# Altium PCB thermal_cam_sensor_jlc.PcbDoc (part 5 of 5)
Units mm, origin at the board's own origin, x right, y up, seen from the top; angles counter-clockwise.
Board outline 100 x 100 mm, 6 copper layers (Top Layer, GND1, Power1, Power2, GND2, Bottom Layer), stack 1.538 mm thick; 1209 components, 122 nets, 3633 pads, 2406 vias.
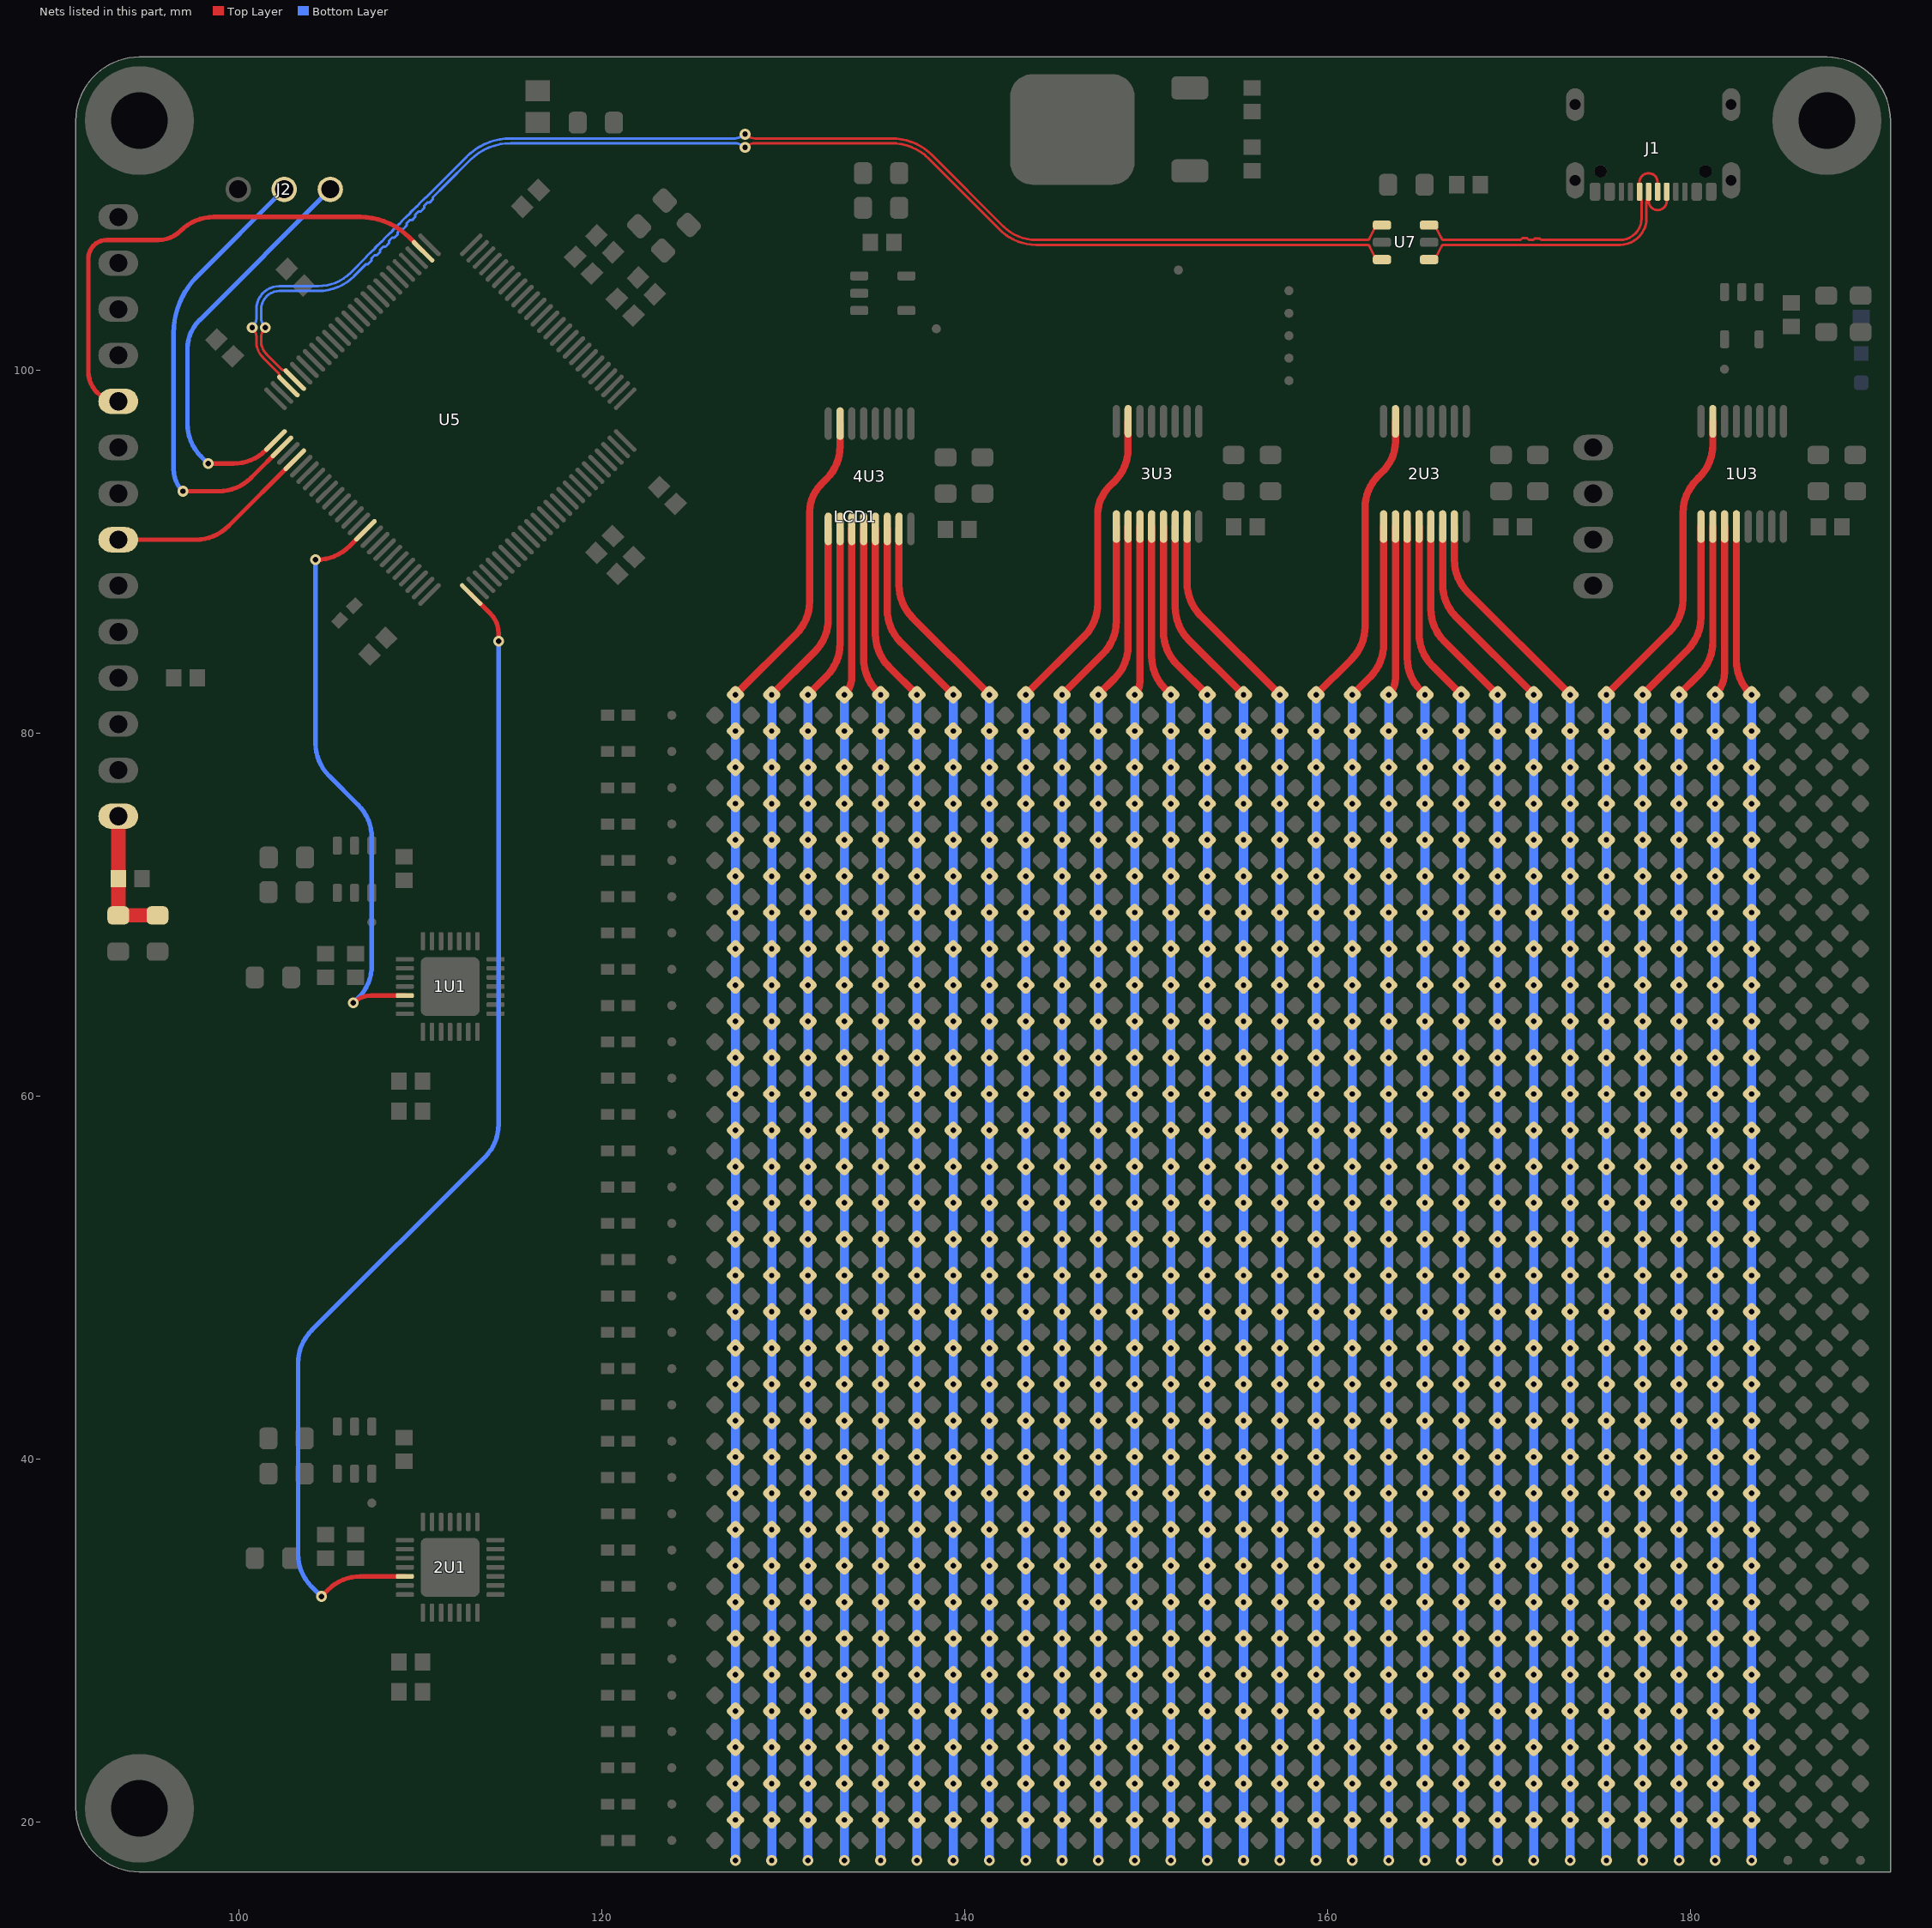
[diagram p9: the nets of this part, all layers, seen from the top]

## Via types
v1: diameter 0.6, hole 0.3, Top Layer to Bottom Layer, tented both sides, 2382 vias
v2: diameter 0.4, hole 0.3, Top Layer to Bottom Layer, 24 vias

## Nets (pads, with @x,y where several pads share a name; then routed paths per layer and width w, separated by ;. In a path a pad name is that pad's centre, name@x,y a point inside that pad or via, vN(x,y) a via of type N, cw(c..) or ccw(c..) an arc to the next point about the centre after c; other vN are vias at no path point) (continued)
ROW3: 1U3.12 T97.1 T98.1 T99.1 T100.1 T101.1 T102.1 T103.1 T104.1 T105.1 T106.1 T107.1 T108.1 T109.1 T110.1 T111.1 T112.1 T113.1 T114.1 T115.1 T116.1 T117.1 T118.1 T119.1 T120.1 T121.1 T122.1 T123.1 T124.1 T125.1 T126.1 T127.1 T128.1 TP28.0 | length 73.7
  Top Layer w0.4: 1U3.12@182.519,91.398 182.519,84.023 ccw(c185.059,84.023) 183.263,82.227 v1(183.357,82.133)
  Bottom Layer w0.5: v1(183.357,17.907) v1(183.357,20.133) ; v1(183.357,20.133) v1(183.357,40.133) v1(183.357,76.133) v1(183.357,82.133)
  other v1: 183.357,22.133 183.357,24.133 183.357,26.133 183.357,28.133 183.357,30.133 183.357,32.133 183.357,34.133 183.357,36.133 183.357,38.133 183.357,42.133 183.357,44.133 183.357,46.133 183.357,48.133 183.357,50.133 183.357,52.133 183.357,54.133 183.357,56.133 183.357,58.133 183.357,60.133 183.357,62.133 183.357,64.133 183.357,66.133 183.357,68.133 183.357,70.133 183.357,72.133 183.357,74.133 183.357,78.133 183.357,80.133
ROW4: 1U3.11 T129.1 T130.1 T131.1 T132.1 T133.1 T134.1 T135.1 T136.1 T137.1 T138.1 T139.1 T140.1 T141.1 T142.1 T143.1 T144.1 T145.1 T146.1 T147.1 T148.1 T149.1 T150.1 T151.1 T152.1 T153.1 T154.1 T155.1 T156.1 T157.1 T158.1 T159.1 T160.1 TP29.0 | length 73.6
  Top Layer w0.4: v1(181.357,82.133) ccw(c180.121,83.369) 181.869,83.369 1U3.11@181.869,91.398
  Bottom Layer w0.5: v1(181.357,17.907) v1(181.357,20.133) ; v1(181.357,20.133) v1(181.357,42.133) v1(181.357,74.133) v1(181.357,82.133)
  other v1: 181.357,22.133 181.357,24.133 181.357,26.133 181.357,28.133 181.357,30.133 181.357,32.133 181.357,34.133 181.357,36.133 181.357,38.133 181.357,40.133 181.357,44.133 181.357,46.133 181.357,48.133 181.357,50.133 181.357,52.133 181.357,54.133 181.357,56.133 181.357,58.133 181.357,60.133 181.357,62.133 181.357,64.133 181.357,66.133 181.357,68.133 181.357,70.133 181.357,72.133 181.357,76.133 181.357,78.133 181.357,80.133
ROW5: 1U3.10 T161.1 T162.1 T163.1 T164.1 T165.1 T166.1 T167.1 T168.1 T169.1 T170.1 T171.1 T172.1 T173.1 T174.1 T175.1 T176.1 T177.1 T178.1 T179.1 T180.1 T181.1 T182.1 T183.1 T184.1 T185.1 T186.1 T187.1 T188.1 T189.1 T190.1 T191.1 T192.1 TP30.0 | length 74.2
  Top Layer w0.4: v1(179.357,82.133) 180.475,83.251 ccw(c178.679,85.047) 181.219,85.047 1U3.10@181.219,91.398
  Bottom Layer w0.5: v1(179.357,17.907) v1(179.357,20.133) ; v1(179.357,20.133) v1(179.357,38.133) v1(179.357,64.133) v1(179.357,76.133) v1(179.357,82.133)
  other v1: 179.357,22.133 179.357,24.133 179.357,26.133 179.357,28.133 179.357,30.133 179.357,32.133 179.357,34.133 179.357,36.133 179.357,40.133 179.357,42.133 179.357,44.133 179.357,46.133 179.357,48.133 179.357,50.133 179.357,52.133 179.357,54.133 179.357,56.133 179.357,58.133 179.357,60.133 179.357,62.133 179.357,66.133 179.357,68.133 179.357,70.133 179.357,72.133 179.357,74.133 179.357,78.133 179.357,80.133
ROW6: 1U3.9 T193.1 T194.1 T195.1 T196.1 T197.1 T198.1 T199.1 T200.1 T201.1 T202.1 T203.1 T204.1 T205.1 T206.1 T207.1 T208.1 T209.1 T210.1 T211.1 T212.1 T213.1 T214.1 T215.1 T216.1 T217.1 T218.1 T219.1 T220.1 T221.1 T222.1 T223.1 T224.1 TP31.0 | length 74.7
  Top Layer w0.4: v1(177.357,82.133) 179.825,84.601 ccw(c178.029,86.397) 180.569,86.397 1U3.9@180.569,91.398
  Bottom Layer w0.5: v1(177.357,17.907) v1@177.357,20.133 ; v1@177.357,20.133 v1(177.357,34.133) v1(177.357,66.133) v1(177.357,78.133) v1(177.357,80.133) v1(177.357,82.133)
  other v1: 177.357,20.133 177.357,22.133 177.357,24.133 177.357,26.133 177.357,28.133 177.357,30.133 177.357,32.133 177.357,36.133 177.357,38.133 177.357,40.133 177.357,42.133 177.357,44.133 177.357,46.133 177.357,48.133 177.357,50.133 177.357,52.133 177.357,54.133 177.357,56.133 177.357,58.133 177.357,60.133 177.357,62.133 177.357,64.133 177.357,68.133 177.357,70.133 177.357,72.133 177.357,74.133 177.357,76.133
ROW7: 1U3.7 T225.1 T226.1 T227.1 T228.1 T229.1 T230.1 T231.1 T232.1 T233.1 T234.1 T235.1 T236.1 T237.1 T238.1 T239.1 T240.1 T241.1 T242.1 T243.1 T244.1 T245.1 T246.1 T247.1 T248.1 T249.1 T250.1 T251.1 T252.1 T253.1 T254.1 T255.1 T256.1 TP32.0 | length 81.4
  Top Layer w0.4: v1(175.357,82.133) 178.834,85.61 ccw(c177.038,87.406) 179.578,87.406 179.578,92.166 cw(c182.118,92.166) 180.322,93.962 180.475,94.115 ccw(c178.679,95.911) 181.219,95.911 1U3.7@181.219,97.198
  Bottom Layer w0.5: v1(175.357,17.907) v1(175.357,20.133) v1(175.357,22.133) v1(175.357,24.133) v1(175.357,26.133) v1(175.357,28.133) v1(175.357,30.133) v1(175.357,32.133) v1(175.357,34.133) v1(175.357,36.133) v1(175.357,38.133) v1(175.357,40.133) v1(175.357,42.133) v1(175.357,44.133) v1(175.357,46.133) v1(175.357,48.133) v1(175.357,50.133) v1(175.357,52.133) v1(175.357,54.133) v1(175.357,56.133) v1(175.357,58.133) v1(175.357,60.133) v1(175.357,62.133) v1(175.357,64.133) v1(175.357,66.133) v1(175.357,68.133) v1(175.357,70.133) v1(175.357,72.133) v1(175.357,74.133) v1(175.357,76.133) v1(175.357,78.133) v1(175.357,80.133) v1(175.357,82.133)
ROW8: 2U3.15 T257.1 T258.1 T259.1 T260.1 T261.1 T262.1 T263.1 T264.1 T265.1 T266.1 T267.1 T268.1 T269.1 T270.1 T271.1 T272.1 T273.1 T274.1 T275.1 T276.1 T277.1 T278.1 T279.1 T280.1 T281.1 T282.1 T283.1 T284.1 T285.1 T286.1 T287.1 T288.1 TP33.0 | length 76
  Top Layer w0.4: 2U3.15@166.979,91.398 166.979,89.563 ccw(c169.519,89.563) 167.723,87.767 v1(173.357,82.133)
  Bottom Layer w0.5: v1(173.357,17.907) v1(173.357,20.133) ; v1(173.357,20.133) v1(173.357,40.133) v1(173.357,70.133) v1(173.357,82.133)
  other v1: 173.357,22.133 173.357,24.133 173.357,26.133 173.357,28.133 173.357,30.133 173.357,32.133 173.357,34.133 173.357,36.133 173.357,38.133 173.357,42.133 173.357,44.133 173.357,46.133 173.357,48.133 173.357,50.133 173.357,52.133 173.357,54.133 173.357,56.133 173.357,58.133 173.357,60.133 173.357,62.133 173.357,64.133 173.357,66.133 173.357,68.133 173.357,72.133 173.357,74.133 173.357,76.133 173.357,78.133 173.357,80.133
ROW9: 2U3.14 T289.1 T290.1 T291.1 T292.1 T293.1 T294.1 T295.1 T296.1 T297.1 T298.1 T299.1 T300.1 T301.1 T302.1 T303.1 T304.1 T305.1 T306.1 T307.1 T308.1 T309.1 T310.1 T311.1 T312.1 T313.1 T314.1 T315.1 T316.1 T317.1 T318.1 T319.1 T320.1 TP34.0 | length 75.5
  Top Layer w0.4: 2U3.14@166.329,91.398 166.329,88.213 ccw(c168.869,88.213) 167.073,86.417 v1(171.357,82.133)
  Bottom Layer w0.5: v1(171.357,17.907) v1(171.357,20.133) ; v1(171.357,20.133) v1(171.357,40.133) v1(171.357,70.133) v1(171.357,82.133)
  other v1: 171.357,22.133 171.357,24.133 171.357,26.133 171.357,28.133 171.357,30.133 171.357,32.133 171.357,34.133 171.357,36.133 171.357,38.133 171.357,42.133 171.357,44.133 171.357,46.133 171.357,48.133 171.357,50.133 171.357,52.133 171.357,54.133 171.357,56.133 171.357,58.133 171.357,60.133 171.357,62.133 171.357,64.133 171.357,66.133 171.357,68.133 171.357,72.133 171.357,74.133 171.357,76.133 171.357,78.133 171.357,80.133
ROW10: 2U3.13 T321.1 T322.1 T323.1 T324.1 T325.1 T326.1 T327.1 T328.1 T329.1 T330.1 T331.1 T332.1 T333.1 T334.1 T335.1 T336.1 T337.1 T338.1 T339.1 T340.1 T341.1 T342.1 T343.1 T344.1 T345.1 T346.1 T347.1 T348.1 T349.1 T350.1 T351.1 T352.1 TP35.0 | length 74.9
  Top Layer w0.4: 2U3.13@165.679,91.398 165.679,86.863 ccw(c168.219,86.863) 166.423,85.067 v1(169.357,82.133)
  Bottom Layer w0.5: v1(169.357,17.907) v1(169.357,20.133) ; v1(169.357,20.133) v1(169.357,40.133) v1(169.357,70.133) v1(169.357,82.133)
  other v1: 169.357,22.133 169.357,24.133 169.357,26.133 169.357,28.133 169.357,30.133 169.357,32.133 169.357,34.133 169.357,36.133 169.357,38.133 169.357,42.133 169.357,44.133 169.357,46.133 169.357,48.133 169.357,50.133 169.357,52.133 169.357,54.133 169.357,56.133 169.357,58.133 169.357,60.133 169.357,62.133 169.357,64.133 169.357,66.133 169.357,68.133 169.357,72.133 169.357,74.133 169.357,76.133 169.357,78.133 169.357,80.133
ROW11: 2U3.12 T353.1 T354.1 T355.1 T356.1 T357.1 T358.1 T359.1 T360.1 T361.1 T362.1 T363.1 T364.1 T365.1 T366.1 T367.1 T368.1 T369.1 T370.1 T371.1 T372.1 T373.1 T374.1 T375.1 T376.1 T377.1 T378.1 T379.1 T380.1 T381.1 T382.1 T383.1 T384.1 TP36.0 | length 74.3
  Top Layer w0.4: 2U3.12@165.029,91.398 165.029,85.513 ccw(c167.569,85.513) 165.773,83.717 v1(167.357,82.133)
  Bottom Layer w0.5: v1(167.357,17.907) v1(167.357,20.133) v1(167.357,40.133) v1(167.357,70.133) v1(167.357,82.133)
  other v1: 167.357,22.133 167.357,24.133 167.357,26.133 167.357,28.133 167.357,30.133 167.357,32.133 167.357,34.133 167.357,36.133 167.357,38.133 167.357,42.133 167.357,44.133 167.357,46.133 167.357,48.133 167.357,50.133 167.357,52.133 167.357,54.133 167.357,56.133 167.357,58.133 167.357,60.133 167.357,62.133 167.357,64.133 167.357,66.133 167.357,68.133 167.357,72.133 167.357,74.133 167.357,76.133 167.357,78.133 167.357,80.133
ROW12: 2U3.11 T385.1 T386.1 T387.1 T388.1 T389.1 T390.1 T391.1 T392.1 T393.1 T394.1 T395.1 T396.1 T397.1 T398.1 T399.1 T400.1 T401.1 T402.1 T403.1 T404.1 T405.1 T406.1 T407.1 T408.1 T409.1 T410.1 T411.1 T412.1 T413.1 T414.1 T415.1 T416.1 TP37.0 | length 73.8
  Top Layer w0.4: 2U3.11@164.379,91.398 164.379,84.163 ccw(c166.919,84.163) 165.123,82.367 v1(165.357,82.133)
  Bottom Layer w0.5: v1(165.357,17.907) v1(165.357,20.133) v1(165.357,38.133) v1(165.357,70.133) v1(165.357,82.133)
  other v1: 165.357,22.133 165.357,24.133 165.357,26.133 165.357,28.133 165.357,30.133 165.357,32.133 165.357,34.133 165.357,36.133 165.357,40.133 165.357,42.133 165.357,44.133 165.357,46.133 165.357,48.133 165.357,50.133 165.357,52.133 165.357,54.133 165.357,56.133 165.357,58.133 165.357,60.133 165.357,62.133 165.357,64.133 165.357,66.133 165.357,68.133 165.357,72.133 165.357,74.133 165.357,76.133 165.357,78.133 165.357,80.133
ROW13: 2U3.10 T417.1 T418.1 T419.1 T420.1 T421.1 T422.1 T423.1 T424.1 T425.1 T426.1 T427.1 T428.1 T429.1 T430.1 T431.1 T432.1 T433.1 T434.1 T435.1 T436.1 T437.1 T438.1 T439.1 T440.1 T441.1 T442.1 T443.1 T444.1 T445.1 T446.1 T447.1 T448.1 TP38.0 | length 73.6
  Top Layer w0.4: v1(163.357,82.133) ccw(c162.459,83.031) 163.729,83.031 2U3.10@163.729,91.398
  Bottom Layer w0.5: v1(163.357,17.907) v1(163.357,20.133) ; v1(163.357,20.133) v1(163.357,22.133) v1(163.357,24.133) v1(163.357,26.133) v1(163.357,28.133) v1(163.357,30.133) v1(163.357,32.133) v1(163.357,34.133) v1(163.357,36.133) v1(163.357,38.133) v1(163.357,40.133) v1(163.357,42.133) v1(163.357,44.133) v1(163.357,46.133) v1(163.357,48.133) v1(163.357,50.133) v1(163.357,52.133) v1(163.357,54.133) v1(163.357,56.133) v1(163.357,58.133) v1(163.357,60.133) v1(163.357,62.133) v1(163.357,64.133) v1(163.357,66.133) v1(163.357,68.133) v1(163.357,70.133) v1(163.357,72.133) v1(163.357,74.133) v1(163.357,76.133) v1(163.357,78.133) v1(163.357,80.133) v1(163.357,82.133)
ROW14: 2U3.9 T449.1 T450.1 T451.1 T452.1 T453.1 T454.1 T455.1 T456.1 T457.1 T458.1 T459.1 T460.1 T461.1 T462.1 T463.1 T464.1 T465.1 T466.1 T467.1 T468.1 T469.1 T470.1 T471.1 T472.1 T473.1 T474.1 T475.1 T476.1 T477.1 T478.1 T479.1 T480.1 TP39.0 | length 74.1
  Top Layer w0.4: v1(161.357,82.133) 162.335,83.111 ccw(c160.539,84.907) 163.079,84.907 2U3.9@163.079,91.398
  Bottom Layer w0.5: v1(161.357,17.907) v1(161.357,20.133) v1(161.357,34.133) v1(161.357,66.133) v1(161.357,78.133) v1(161.357,80.133) v1(161.357,82.133)
  other v1: 161.357,22.133 161.357,24.133 161.357,26.133 161.357,28.133 161.357,30.133 161.357,32.133 161.357,36.133 161.357,38.133 161.357,40.133 161.357,42.133 161.357,44.133 161.357,46.133 161.357,48.133 161.357,50.133 161.357,52.133 161.357,54.133 161.357,56.133 161.357,58.133 161.357,60.133 161.357,62.133 161.357,64.133 161.357,68.133 161.357,70.133 161.357,72.133 161.357,74.133 161.357,76.133
ROW15: 2U3.7 T481.1 T482.1 T483.1 T484.1 T485.1 T486.1 T487.1 T488.1 T489.1 T490.1 T491.1 T492.1 T493.1 T494.1 T495.1 T496.1 T497.1 T498.1 T499.1 T500.1 T501.1 T502.1 T503.1 T504.1 T505.1 T506.1 T507.1 T508.1 T509.1 T510.1 T511.1 T512.1 TP40.0 | length 80.8
  Top Layer w0.4: v1(159.357,82.133) 161.308,84.084 ccw(c159.512,85.88) 162.052,85.88 162.052,92.42 cw(c164.592,92.42) 162.796,94.216 163.068,94.488 ccw(c161.472,96.084) 163.729,96.084 2U3.7@163.729,97.198
  Bottom Layer w0.5: v1(159.357,17.907) v1(159.357,20.133) v1(159.357,34.133) v1(159.357,54.133) v1(159.357,70.133) v1(159.357,82.133)
  other v1: 159.357,22.133 159.357,24.133 159.357,26.133 159.357,28.133 159.357,30.133 159.357,32.133 159.357,36.133 159.357,38.133 159.357,40.133 159.357,42.133 159.357,44.133 159.357,46.133 159.357,48.133 159.357,50.133 159.357,52.133 159.357,56.133 159.357,58.133 159.357,60.133 159.357,62.133 159.357,64.133 159.357,66.133 159.357,68.133 159.357,72.133 159.357,74.133 159.357,76.133 159.357,78.133 159.357,80.133
ROW16: 3U3.15 T513.1 T514.1 T515.1 T516.1 T517.1 T518.1 T519.1 T520.1 T521.1 T522.1 T523.1 T524.1 T525.1 T526.1 T527.1 T528.1 T529.1 T530.1 T531.1 T532.1 T533.1 T534.1 T535.1 T536.1 T537.1 T538.1 T539.1 T540.1 T541.1 T542.1 T543.1 T544.1 TP41.0 | length 75.5
  Top Layer w0.4: 3U3.15@152.247,91.398 152.247,88.295 ccw(c154.787,88.295) 152.991,86.499 v1(157.357,82.133)
  Bottom Layer w0.5: v1(157.357,17.907) v1(157.357,20.133) v1(157.357,40.133) v1(157.357,70.133) v1(157.357,82.133)
  other v1: 157.357,22.133 157.357,24.133 157.357,26.133 157.357,28.133 157.357,30.133 157.357,32.133 157.357,34.133 157.357,36.133 157.357,38.133 157.357,42.133 157.357,44.133 157.357,46.133 157.357,48.133 157.357,50.133 157.357,52.133 157.357,54.133 157.357,56.133 157.357,58.133 157.357,60.133 157.357,62.133 157.357,64.133 157.357,66.133 157.357,68.133 157.357,72.133 157.357,74.133 157.357,76.133 157.357,78.133 157.357,80.133
ROW17: 3U3.14 T545.1 T546.1 T547.1 T548.1 T549.1 T550.1 T551.1 T552.1 T553.1 T554.1 T555.1 T556.1 T557.1 T558.1 T559.1 T560.1 T561.1 T562.1 T563.1 T564.1 T565.1 T566.1 T567.1 T568.1 T569.1 T570.1 T571.1 T572.1 T573.1 T574.1 T575.1 T576.1 TP42.0 | length 74.9
  Top Layer w0.4: 3U3.14@151.597,91.398 151.597,86.945 ccw(c154.137,86.945) 152.341,85.149 v1(155.357,82.133)
  Bottom Layer w0.5: v1(155.357,17.907) v1(155.357,20.133) v1(155.357,40.133) v1(155.357,70.133) v1(155.357,82.133)
  other v1: 155.357,22.133 155.357,24.133 155.357,26.133 155.357,28.133 155.357,30.133 155.357,32.133 155.357,34.133 155.357,36.133 155.357,38.133 155.357,42.133 155.357,44.133 155.357,46.133 155.357,48.133 155.357,50.133 155.357,52.133 155.357,54.133 155.357,56.133 155.357,58.133 155.357,60.133 155.357,62.133 155.357,64.133 155.357,66.133 155.357,68.133 155.357,72.133 155.357,74.133 155.357,76.133 155.357,78.133 155.357,80.133
ROW18: 3U3.13 T577.1 T578.1 T579.1 T580.1 T581.1 T582.1 T583.1 T584.1 T585.1 T586.1 T587.1 T588.1 T589.1 T590.1 T591.1 T592.1 T593.1 T594.1 T595.1 T596.1 T597.1 T598.1 T599.1 T600.1 T601.1 T602.1 T603.1 T604.1 T605.1 T606.1 T607.1 T608.1 TP43.0 | length 74.4
  Top Layer w0.4: 3U3.13@150.947,91.398 150.947,85.595 ccw(c153.487,85.595) 151.691,83.799 v1(153.357,82.133)
  Bottom Layer w0.5: v1(153.357,17.907) v1(153.357,20.133) ; v1(153.357,20.133) v1(153.357,40.133) v1(153.357,70.133) v1(153.357,82.133)
  other v1: 153.357,22.133 153.357,24.133 153.357,26.133 153.357,28.133 153.357,30.133 153.357,32.133 153.357,34.133 153.357,36.133 153.357,38.133 153.357,42.133 153.357,44.133 153.357,46.133 153.357,48.133 153.357,50.133 153.357,52.133 153.357,54.133 153.357,56.133 153.357,58.133 153.357,60.133 153.357,62.133 153.357,64.133 153.357,66.133 153.357,68.133 153.357,72.133 153.357,74.133 153.357,76.133 153.357,78.133 153.357,80.133
ROW19: 3U3.12 T609.1 T610.1 T611.1 T612.1 T613.1 T614.1 T615.1 T616.1 T617.1 T618.1 T619.1 T620.1 T621.1 T622.1 T623.1 T624.1 T625.1 T626.1 T627.1 T628.1 T629.1 T630.1 T631.1 T632.1 T633.1 T634.1 T635.1 T636.1 T637.1 T638.1 T639.1 T640.1 TP44.0 | length 73.8
  Top Layer w0.4: 3U3.12@150.297,91.398 150.297,84.245 ccw(c152.837,84.245) 151.041,82.449 v1(151.357,82.133)
  Bottom Layer w0.5: v1(151.357,17.907) v1(151.357,20.133) v1(151.357,22.133) v1(151.357,24.133) v1(151.357,26.133) v1(151.357,28.133) v1(151.357,30.133) v1(151.357,32.133) v1(151.357,34.133) v1(151.357,36.133) v1(151.357,38.133) v1(151.357,40.133) v1(151.357,42.133) v1(151.357,44.133) v1(151.357,46.133) v1(151.357,48.133) v1(151.357,50.133) v1(151.357,52.133) v1(151.357,54.133) v1(151.357,56.133) v1(151.357,58.133) v1(151.357,60.133) v1(151.357,62.133) v1(151.357,64.133) v1(151.357,66.133) v1(151.357,68.133) v1(151.357,70.133) v1(151.357,72.133) v1(151.357,74.133) v1(151.357,76.133) v1(151.357,78.133) v1(151.357,80.133) v1(151.357,82.133)
ROW20: 3U3.11 T641.1 T642.1 T643.1 T644.1 T645.1 T646.1 T647.1 T648.1 T649.1 T650.1 T651.1 T652.1 T653.1 T654.1 T655.1 T656.1 T657.1 T658.1 T659.1 T660.1 T661.1 T662.1 T663.1 T664.1 T665.1 T666.1 T667.1 T668.1 T669.1 T670.1 T671.1 T672.1 TP45.0 | length 73.6
  Top Layer w0.4: v1(149.357,82.133) ccw(c148.657,82.833) 149.647,82.833 3U3.11@149.647,91.398
  Bottom Layer w0.5: v1(149.357,17.907) v1(149.357,20.133) v1(149.357,22.133) v1(149.357,24.133) v1(149.357,26.133) v1(149.357,28.133) v1(149.357,30.133) v1(149.357,32.133) v1(149.357,34.133) v1(149.357,36.133) v1(149.357,38.133) v1(149.357,40.133) v1(149.357,42.133) v1(149.357,44.133) v1(149.357,46.133) v1(149.357,48.133) v1(149.357,50.133) v1(149.357,52.133) v1(149.357,54.133) v1(149.357,56.133) v1(149.357,58.133) v1(149.357,60.133) v1(149.357,62.133) v1(149.357,64.133) v1(149.357,66.133) v1(149.357,68.133) v1(149.357,70.133) v1(149.357,72.133) v1(149.357,74.133) v1(149.357,76.133) v1(149.357,78.133) v1(149.357,80.133) v1(149.357,82.133)
ROW21: 3U3.10 T673.1 T674.1 T675.1 T676.1 T677.1 T678.1 T679.1 T680.1 T681.1 T682.1 T683.1 T684.1 T685.1 T686.1 T687.1 T688.1 T689.1 T690.1 T691.1 T692.1 T693.1 T694.1 T695.1 T696.1 T697.1 T698.1 T699.1 T700.1 T701.1 T702.1 T703.1 T704.1 TP46.0 | length 74.1
  Top Layer w0.4: v1(147.357,82.133) 148.253,83.029 ccw(c146.457,84.825) 148.997,84.825 3U3.10@148.997,91.398
  Bottom Layer w0.5: v1(147.357,17.907) v1(147.357,20.133) v1(147.357,22.133) v1(147.357,24.133) v1(147.357,26.133) v1(147.357,28.133) v1(147.357,30.133) v1(147.357,32.133) v1(147.357,34.133) v1(147.357,36.133) v1(147.357,38.133) v1(147.357,40.133) v1(147.357,42.133) v1(147.357,44.133) v1(147.357,46.133) v1(147.357,48.133) v1(147.357,50.133) v1(147.357,52.133) v1(147.357,54.133) v1(147.357,56.133) v1(147.357,58.133) v1(147.357,60.133) v1(147.357,62.133) v1(147.357,64.133) v1(147.357,66.133) v1(147.357,68.133) v1(147.357,70.133) v1(147.357,72.133) v1(147.357,74.133) v1(147.357,76.133) v1(147.357,78.133) v1(147.357,80.133) v1(147.357,82.133)
ROW22: 3U3.9 T705.1 T706.1 T707.1 T708.1 T709.1 T710.1 T711.1 T712.1 T713.1 T714.1 T715.1 T716.1 T717.1 T718.1 T719.1 T720.1 T721.1 T722.1 T723.1 T724.1 T725.1 T726.1 T727.1 T728.1 T729.1 T730.1 T731.1 T732.1 T733.1 T734.1 T735.1 T736.1 TP47.0 | length 74.6
  Top Layer w0.4: v1(145.357,82.133) 147.603,84.379 ccw(c145.807,86.175) 148.347,86.175 3U3.9@148.347,91.398
  Bottom Layer w0.5: v1(145.357,17.907) v1(145.357,20.133) v1(145.357,38.133) v1(145.357,64.133) v1(145.357,76.133) v1(145.357,82.133)
  other v1: 145.357,22.133 145.357,24.133 145.357,26.133 145.357,28.133 145.357,30.133 145.357,32.133 145.357,34.133 145.357,36.133 145.357,40.133 145.357,42.133 145.357,44.133 145.357,46.133 145.357,48.133 145.357,50.133 145.357,52.133 145.357,54.133 145.357,56.133 145.357,58.133 145.357,60.133 145.357,62.133 145.357,66.133 145.357,68.133 145.357,70.133 145.357,72.133 145.357,74.133 145.357,78.133 145.357,80.133
ROW23: 3U3.7 T737.1 T738.1 T739.1 T740.1 T741.1 T742.1 T743.1 T744.1 T745.1 T746.1 T747.1 T748.1 T749.1 T750.1 T751.1 T752.1 T753.1 T754.1 T755.1 T756.1 T757.1 T758.1 T759.1 T760.1 T761.1 T762.1 T763.1 T764.1 T765.1 T766.1 T767.1 T768.1 TP48.0 | length 81.3
  Top Layer w0.4: v1(143.357,82.133) 146.576,85.352 ccw(c144.78,87.148) 147.32,87.148 147.32,92.066 cw(c149.488,92.066) 147.955,93.599 148.253,93.897 ccw(c146.457,95.693) 148.997,95.693 3U3.7@148.997,97.198
  Bottom Layer w0.5: v1(143.357,17.907) v1(143.357,20.133) v1(143.357,74.133) v1(143.357,76.133) v1(143.357,78.133) v1(143.357,80.133) v1(143.357,82.133)
  other v1: 143.357,22.133 143.357,24.133 143.357,26.133 143.357,28.133 143.357,30.133 143.357,32.133 143.357,34.133 143.357,36.133 143.357,38.133 143.357,40.133 143.357,42.133 143.357,44.133 143.357,46.133 143.357,48.133 143.357,50.133 143.357,52.133 143.357,54.133 143.357,56.133 143.357,58.133 143.357,60.133 143.357,62.133 143.357,64.133 143.357,66.133 143.357,68.133 143.357,70.133 143.357,72.133
ROW24: 4U3.15 T769.1 T770.1 T771.1 T772.1 T773.1 T774.1 T775.1 T776.1 T777.1 T778.1 T779.1 T780.1 T781.1 T782.1 T783.1 T784.1 T785.1 T786.1 T787.1 T788.1 T789.1 T790.1 T791.1 T792.1 T793.1 T794.1 T795.1 T796.1 T797.1 T798.1 T799.1 T800.1 TP49.0 | length 75.3
  Top Layer w0.4: 4U3.15@136.372,91.271 136.372,88.773 136.372,88.17 ccw(c138.912,88.17) 137.116,86.374 v1(141.357,82.133)
  Bottom Layer w0.5: v1(141.357,17.907) v1(141.357,20.133) v1(141.357,78.133) v1(141.357,80.133) v1(141.357,82.133)
  other v1: 141.357,22.133 141.357,24.133 141.357,26.133 141.357,28.133 141.357,30.133 141.357,32.133 141.357,34.133 141.357,36.133 141.357,38.133 141.357,40.133 141.357,42.133 141.357,44.133 141.357,46.133 141.357,48.133 141.357,50.133 141.357,52.133 141.357,54.133 141.357,56.133 141.357,58.133 141.357,60.133 141.357,62.133 141.357,64.133 141.357,66.133 141.357,68.133 141.357,70.133 141.357,72.133 141.357,74.133 141.357,76.133
ROW25: 4U3.14 T801.1 T802.1 T803.1 T804.1 T805.1 T806.1 T807.1 T808.1 T809.1 T810.1 T811.1 T812.1 T813.1 T814.1 T815.1 T816.1 T817.1 T818.1 T819.1 T820.1 T821.1 T822.1 T823.1 T824.1 T825.1 T826.1 T827.1 T828.1 T829.1 T830.1 T831.1 T832.1 TP50.0 | length 74.8
  Top Layer w0.4: 4U3.14@135.722,91.271 135.722,86.82 ccw(c138.262,86.82) 136.466,85.024 v1(139.357,82.133)
  Bottom Layer w0.5: v1(139.357,17.907) v1(139.357,20.133) v1(139.357,22.133) v1(139.357,24.133) v1(139.357,26.133) v1(139.357,28.133) v1(139.357,30.133) v1(139.357,32.133) v1(139.357,34.133) v1(139.357,36.133) v1(139.357,38.133) v1(139.357,40.133) v1(139.357,42.133) v1(139.357,44.133) v1(139.357,46.133) v1(139.357,48.133) v1(139.357,50.133) v1(139.357,52.133) v1(139.357,54.133) v1(139.357,56.133) v1(139.357,58.133) v1(139.357,60.133) v1(139.357,62.133) v1(139.357,64.133) v1(139.357,66.133) v1(139.357,68.133) v1(139.357,70.133) v1(139.357,72.133) v1(139.357,74.133) v1(139.357,76.133) v1(139.357,78.133) v1(139.357,80.133) v1(139.357,82.133)
ROW26: 4U3.13 T833.1 T834.1 T835.1 T836.1 T837.1 T838.1 T839.1 T840.1 T841.1 T842.1 T843.1 T844.1 T845.1 T846.1 T847.1 T848.1 T849.1 T850.1 T851.1 T852.1 T853.1 T854.1 T855.1 T856.1 T857.1 T858.1 T859.1 T860.1 T861.1 T862.1 T863.1 T864.1 TP51.0 | length 74.2
  Top Layer w0.4: 4U3.13@135.072,91.271 135.072,85.47 ccw(c137.612,85.47) 135.816,83.674 v1(137.357,82.133)
  Bottom Layer w0.5: v1(137.357,17.907) v1(137.357,20.133) v1(137.357,22.133) v1(137.357,24.133) v1(137.357,26.133) v1(137.357,28.133) v1(137.357,30.133) v1(137.357,32.133) v1(137.357,34.133) v1(137.357,36.133) v1(137.357,38.133) v1(137.357,40.133) v1(137.357,42.133) v1(137.357,44.133) v1(137.357,46.133) v1(137.357,48.133) v1(137.357,50.133) v1(137.357,52.133) v1(137.357,54.133) v1(137.357,56.133) v1(137.357,58.133) v1(137.357,60.133) v1(137.357,62.133) v1(137.357,64.133) v1(137.357,66.133) v1(137.357,68.133) v1(137.357,70.133) v1(137.357,72.133) v1(137.357,74.133) v1(137.357,76.133) v1(137.357,78.133) v1(137.357,80.133) v1(137.357,82.133)
ROW27: 4U3.12 T865.1 T866.1 T867.1 T868.1 T869.1 T870.1 T871.1 T872.1 T873.1 T874.1 T875.1 T876.1 T877.1 T878.1 T879.1 T880.1 T881.1 T882.1 T883.1 T884.1 T885.1 T886.1 T887.1 T888.1 T889.1 T890.1 T891.1 T892.1 T893.1 T894.1 T895.1 T896.1 TP52.0 | length 73.6
  Top Layer w0.4: 4U3.12@134.422,91.271 134.422,84.12 ccw(c136.962,84.12) 135.166,82.324 v1(135.357,82.133)
  Bottom Layer w0.5: v1(135.357,17.907) v1(135.357,20.133) v1(135.357,22.133) v1(135.357,24.133) v1(135.357,26.133) v1(135.357,28.133) v1(135.357,30.133) v1(135.357,32.133) v1(135.357,34.133) v1(135.357,36.133) v1(135.357,38.133) v1(135.357,40.133) v1(135.357,42.133) v1(135.357,44.133) v1(135.357,46.133) v1(135.357,48.133) v1(135.357,50.133) v1(135.357,52.133) v1(135.357,54.133) v1(135.357,56.133) v1(135.357,58.133) v1(135.357,60.133) v1(135.357,62.133) v1(135.357,64.133) v1(135.357,66.133) v1(135.357,68.133) v1(135.357,70.133) v1(135.357,72.133) v1(135.357,74.133) v1(135.357,76.133) v1(135.357,78.133) v1(135.357,80.133) v1(135.357,82.133)
ROW28: 4U3.11 T897.1 T898.1 T899.1 T900.1 T901.1 T902.1 T903.1 T904.1 T905.1 T906.1 T907.1 T908.1 T909.1 T910.1 T911.1 T912.1 T913.1 T914.1 T915.1 T916.1 T917.1 T918.1 T919.1 T920.1 T921.1 T922.1 T923.1 T924.1 T925.1 T926.1 T927.1 T928.1 TP53.0 | length 73.5
  Top Layer w0.4: v1(133.357,82.133) ccw(c132.355,83.135) 133.772,83.135 4U3.11@133.772,91.271
  Bottom Layer w0.5: v1(133.357,17.907) v1(133.357,20.133) ; v1(133.357,20.133) v1(133.357,22.133) v1(133.357,24.133) v1(133.357,26.133) v1(133.357,28.133) v1(133.357,30.133) v1(133.357,32.133) v1(133.357,34.133) v1(133.357,36.133) v1(133.357,38.133) v1(133.357,40.133) v1(133.357,42.133) v1(133.357,44.133) v1(133.357,46.133) v1(133.357,48.133) v1(133.357,50.133) v1(133.357,52.133) v1(133.357,54.133) v1(133.357,56.133) v1(133.357,58.133) v1(133.357,60.133) v1(133.357,62.133) v1(133.357,64.133) v1(133.357,66.133) v1(133.357,68.133) v1(133.357,70.133) v1(133.357,72.133) v1(133.357,74.133) v1(133.357,76.133) v1(133.357,78.133) v1(133.357,80.133) v1(133.357,82.133)
ROW29: 4U3.10 T929.1 T930.1 T931.1 T932.1 T933.1 T934.1 T935.1 T936.1 T937.1 T938.1 T939.1 T940.1 T941.1 T942.1 T943.1 T944.1 T945.1 T946.1 T947.1 T948.1 T949.1 T950.1 T951.1 T952.1 T953.1 T954.1 T955.1 T956.1 T957.1 T958.1 T959.1 T960.1 TP54.0 | length 74
  Top Layer w0.4: v1(131.357,82.133) 132.378,83.154 ccw(c130.582,84.95) 133.122,84.95 4U3.10@133.122,91.271
  Bottom Layer w0.5: v1(131.357,17.907) v1(131.357,20.133) v1(131.357,22.133) v1(131.357,24.133) v1(131.357,26.133) v1(131.357,28.133) v1(131.357,30.133) v1(131.357,32.133) v1(131.357,34.133) v1(131.357,36.133) v1(131.357,38.133) v1(131.357,40.133) v1(131.357,42.133) v1(131.357,44.133) v1(131.357,46.133) v1(131.357,48.133) v1(131.357,50.133) v1(131.357,52.133) v1(131.357,54.133) v1(131.357,56.133) v1(131.357,58.133) v1(131.357,60.133) v1(131.357,62.133) v1(131.357,64.133) v1(131.357,66.133) v1(131.357,68.133) v1(131.357,70.133) v1(131.357,72.133) v1(131.357,74.133) v1(131.357,76.133) v1(131.357,78.133) v1(131.357,80.133) v1(131.357,82.133)
ROW30: 4U3.9 T961.1 T962.1 T963.1 T964.1 T965.1 T966.1 T967.1 T968.1 T969.1 T970.1 T971.1 T972.1 T973.1 T974.1 T975.1 T976.1 T977.1 T978.1 T979.1 T980.1 T981.1 T982.1 T983.1 T984.1 T985.1 T986.1 T987.1 T988.1 T989.1 T990.1 T991.1 T992.1 TP55.0 | length 74.5
  Top Layer w0.4: v1(129.357,82.133) 131.728,84.504 ccw(c129.932,86.3) 132.472,86.3 4U3.9@132.472,91.271
  Bottom Layer w0.5: v1(129.357,17.907) v1(129.357,20.133) v1(129.357,22.133) v1(129.357,24.133) v1(129.357,26.133) v1(129.357,28.133) v1(129.357,30.133) v1(129.357,32.133) v1(129.357,34.133) v1(129.357,36.133) v1(129.357,38.133) v1(129.357,40.133) v1(129.357,42.133) v1(129.357,44.133) v1(129.357,46.133) v1(129.357,48.133) v1(129.357,50.133) v1(129.357,52.133) v1(129.357,54.133) v1(129.357,56.133) v1(129.357,58.133) v1(129.357,60.133) v1(129.357,62.133) v1(129.357,64.133) v1(129.357,66.133) v1(129.357,68.133) v1(129.357,70.133) v1(129.357,72.133) v1(129.357,74.133) v1(129.357,76.133) v1(129.357,78.133) v1(129.357,80.133) v1(129.357,82.133)
ROW31: 4U3.7 T993.1 T994.1 T995.1 T996.1 T997.1 T998.1 T999.1 T1000.1 T1001.1 T1002.1 T1003.1 T1004.1 T1005.1 T1006.1 T1007.1 T1008.1 T1009.1 T1010.1 T1011.1 T1012.1 T1013.1 T1014.1 T1015.1 T1016.1 T1017.1 T1018.1 T1019.1 T1020.1 T1021.1 T1022.1 T1023.1 T1024.1 TP56.0 | length 81.2
  Top Layer w0.4: v1(127.357,82.133) 130.701,85.477 ccw(c128.905,87.273) 131.445,87.273 131.445,92.193 cw(c133.613,92.193) 132.08,93.726 132.378,94.024 ccw(c130.582,95.82) 133.122,95.82 4U3.7@133.122,97.071
  Bottom Layer w0.5: v1(127.357,17.907) v1(127.357,20.133) v1(127.357,22.133) v1(127.357,24.133) v1(127.357,26.133) v1(127.357,28.133) v1(127.357,30.133) v1(127.357,32.133) v1(127.357,34.133) v1(127.357,36.133) v1(127.357,38.133) v1(127.357,40.133) v1(127.357,42.133) v1(127.357,44.133) v1(127.357,46.133) v1(127.357,48.133) v1(127.357,50.133) v1(127.357,52.133) v1(127.357,54.133) v1(127.357,56.133) v1(127.357,58.133) v1(127.357,60.133) v1(127.357,62.133) v1(127.357,64.133) v1(127.357,66.133) v1(127.357,68.133) v1(127.357,70.133) v1(127.357,72.133) v1(127.357,74.133) v1(127.357,76.133) v1(127.357,78.133) v1(127.357,80.133) v1(127.357,82.133)
SCK1: 1U1.19 U5.90 | length 32
  Top Layer w0.25: v1(104.214,89.571) 104.287,89.571 ccw(c104.287,92.111) 106.083,90.315 U5.90@106.96,91.192 ; v1(106.299,65.151) cw(c107.276,64.174) 107.276,65.556 1U1.19@109.133,65.556
  Bottom Layer w0.25: v1(104.214,89.571) 104.214,79.464 ccw(c106.754,79.464) 104.958,77.668 106.571,76.055 cw(c104.775,74.259) 107.315,74.259 107.315,67.219 cw(c104.775,67.219) 106.571,65.423 v1(106.299,65.151)
SCK2: LCD1.10 U5.52 | length 28.8
  Top Layer w0.25: LCD1.10@93.345,98.298 cw(c93.345,99.949) 91.694,99.949 91.694,106.172 cw(c92.71,106.172) 92.71,107.188 95.548,107.188 ccw(c95.548,108.922) 96.774,107.696 cw(c98.614,105.856) 98.614,108.458 106.666,108.458 cw(c106.665,104.617) 109.381,107.333 U5.52@110.142,106.572
SCK3: LCD1.7 U5.79 | length 11.4
  Top Layer w0.25: LCD1.7@93.345,90.678 97.616,90.678 ccw(c97.616,93.218) 99.412,91.422 U5.79@103.071,95.081
SCK4: 2U1.19 U5.1 | length 65.5
  Top Layer w0.25: v1(104.537,32.446) 104.898,32.808 cw(c106.694,31.012) 106.694,33.552 2U1.19@109.133,33.552 ; U5.1@112.795,87.656 113.87,86.58 113.873,86.578 cw(c112.839,85.545) 114.3,85.545 v1(114.3,85.09)
  Bottom Layer w0.25: v1(104.537,32.446) 103.995,32.988 cw(c105.791,34.784) 103.251,34.784 103.251,45.303 cw(c105.791,45.303) 103.995,47.099 113.556,56.66 ccw(c111.76,58.456) 114.3,58.456 v1(114.3,85.09)
SWCLK: J2.2 U5.77 | length 25.5
  Top Layer w0.25: v1(96.901,93.345) 98.869,93.345 ccw(c98.869,95.885) 100.665,94.089 U5.77@102.364,95.788
  Bottom Layer w0.25: v1(96.901,93.345) cw(c98.127,94.571) 96.393,94.571 96.393,102.072 cw(c100.773,102.072) 97.675,105.168 ; 97.676,105.169 J2.2@102.489,109.982
SWDIO: J2.1 U5.76 | length 22.8
  Top Layer w0.25: v1(98.298,94.869) 99.686,94.869 ccw(c99.686,97.409) 101.482,95.613 U5.76@102.01,96.141
  Bottom Layer w0.25: 97.808,102.761 ccw(c99.388,101.183) 97.155,101.183 97.155,97.064 ccw(c99.695,97.064) 97.899,95.268 v1(98.298,94.869) ; 97.809,102.762 J2.1@105.029,109.982
USBCD_N: J1.A6 J1.B6 U7.6 | length 17.1
  Top Layer w0.14: U7.6@165.584,108.011 165.959,107.886 166.245,107.334 cw(c165.959,107.186) 166.264,107.29 ccw(c166.397,107.335) 166.397,107.195 ; 166.398,107.195 170.561,107.195 170.631,107.195 170.728,107.291 170.982,107.291 171.079,107.195 171.333,107.195 171.417,107.279 171.671,107.279 171.754,107.195 176.079,107.195 176.106,107.195 ccw(c176.106,108.386) 177.297,108.386 177.297,109.304 ccw(c177.099,109.304) 177.239,109.444 cw(c177.38,109.585) 177.181,109.585 J1.B6@177.181,109.855 177.181,110.379 cw(c177.673,110.379) 177.673,110.871 cw(c177.673,110.363) 178.181,110.363 J1.A6@178.181,109.855
USBCD_P: J1.A7 J1.B7 U7.4 | length 17.1
  Top Layer w0.14: U7.4@165.584,106.111 165.959,106.236 166.245,106.788 ccw(c165.959,106.936) 166.264,106.832 cw(c166.397,106.787) 166.397,106.927 171.831,106.927 176.106,106.927 ccw(c176.106,108.386) 177.565,108.386 177.565,109.304 cw(c177.763,109.304) 177.623,109.444 ccw(c177.482,109.585) J1.A7@177.681,109.585 ; J1.A7@177.681,109.855 J1.A7@177.681,109.585 ; J1.B7@178.681,109.855 178.681,109.339 cw(c178.181,109.339) 178.181,108.839 cw(c178.181,109.339) 177.681,109.339 J1.A7@177.681,109.585
USBD_N: U5.72 U7.3 | length 73.2
  Top Layer w0.14: v1@101.334,102.165 ccw(c101.611,101.887) 101.219,101.887 101.219,101.6 ccw(c102.212,101.6) 101.51,100.898 102.337,100.071 ccw(c102.477,100.211) 102.477,100.012 cw(c102.477,99.814) 102.618,99.954 U5.72@103.071,99.501 ; v1(127.889,112.292) cw(c128.444,111.737) 128.444,112.522 135.954,112.522 ; 135.955,112.522 cw(c135.957,109.61) 138.017,111.667 142.014,107.671 cw(c141.938,107.553) 142.032,107.657 142.044,107.647 ccw(c143.919,109.732) 143.919,106.927 162.17,106.927 ; 162.171,106.927 cw(c162.171,106.787) 162.304,106.832 ccw(c162.609,106.936) 162.323,106.788 162.609,106.236 U7.3@162.984,106.111
  Bottom Layer w0.14: v1(101.449,102.362) ccw(c101.25,102.362) 101.391,102.502 101.334,102.559 cw(c101.611,102.837) 101.219,102.837 101.219,102.946 101.22,102.947 101.22,103.378 cw(c102.223,103.378) 102.223,104.381 104.363,104.381 ccw(c104.363,107.183) 106.344,105.201 106.934,105.791 107.002,105.859 107.107,105.859 107.287,106.038 107.287,106.164 107.466,106.343 107.592,106.343 107.771,106.523 107.771,106.648 107.951,106.828 108.076,106.828 108.256,107.007 108.256,107.133 108.435,107.312 108.561,107.312 108.74,107.492 108.74,107.617 108.92,107.797 109.045,107.797 109.225,107.976 109.225,108.102 109.404,108.281 109.53,108.281 109.709,108.461 109.709,108.586 109.889,108.766 110.014,108.766 110.194,108.945 110.194,109.071 110.374,109.25 110.499,109.25 110.679,109.43 110.679,109.536 111.379,110.236 112.74,111.597 ; 112.74,111.597 cw(c114.971,109.369) 114.971,112.522 127.334,112.522 cw(c127.334,111.936) 127.749,112.35 ccw(c127.889,112.491) v1(127.889,112.292)
USBD_P: U5.73 U7.1 | length 73.4
  Top Layer w0.14: v1@100.837,102.165 cw(c100.559,101.887) 100.952,101.887 100.952,101.599 ccw(c102.209,101.599) 101.32,100.71 102.148,99.882 cw(c102.008,99.741) 102.206,99.741 ccw(c102.405,99.741) 102.264,99.601 U5.73@102.718,99.147 ; v1(127.889,113.019) ccw(c128.444,113.574) 128.444,112.789 135.955,112.789 135.957,112.789 cw(c135.957,109.61) 138.205,111.857 ; 138.206,111.857 142.124,107.939 ccw(c143.92,109.735) 143.92,107.195 162.171,107.195 ccw(c162.171,107.335) 162.304,107.29 cw(c162.609,107.186) 162.323,107.334 162.609,107.886 U7.1@162.984,108.011
  Bottom Layer w0.14: v1(100.722,102.362) cw(c100.92,102.362) v1@100.78,102.502 ; v1@100.78,102.502 100.837,102.559 ccw(c100.559,102.837) 100.952,102.837 100.952,103.057 100.953,103.058 100.953,103.378 cw(c102.223,103.378) 102.223,104.648 104.361,104.648 ccw(c104.361,107.188) 106.157,105.392 107.019,106.254 107.019,106.274 107.356,106.61 107.375,106.61 107.504,106.739 107.504,106.759 107.84,107.095 107.86,107.095 107.988,107.224 107.988,107.243 108.325,107.58 108.344,107.58 108.473,107.708 108.473,107.728 108.809,108.064 108.829,108.064 108.958,108.193 108.958,108.212 109.294,108.549 109.314,108.549 109.442,108.677 109.442,108.697 109.778,109.033 109.798,109.033 109.927,109.162 109.927,109.182 110.263,109.518 110.283,109.518 112.552,111.787 cw(c114.971,109.369) 114.971,112.789 114.973,112.789 127.334,112.789 ccw(c127.334,113.376) 127.749,112.961 cw(c127.889,112.821) v1(127.889,113.019)
VCC_TFT: C21.2 F11.2 F12.2 LCD1.1 | length 7.6
  Top Layer w0.8: LCD1.1@93.345,75.438 C21.2@93.345,72.009 F11.2@93.345,69.977 F12.2@95.504,69.977
pads on no net: 1U1.EP1 1U2.1 1U2.3 1U2.5 1U4.1 2U1.EP1 2U2.1 2U2.3 2U2.5 2U4.1 J1. J1.A5 J1.A8 J1.B5 J1.B8 LCD1.15 LCD1.16 LCD1.17 LCD1.18 U5.7 U5.8 U5.9 U5.10 U5.11 U5.12 U5.13 U5.15 U5.16 U5.17 U5.18 U5.19 U5.20 U5.21 U5.22 U5.25 U5.32 U5.33 U5.34 U5.38 U5.39 U5.40 U5.41 U5.42 U5.43 U5.44 U5.45 U5.46 U5.47 U5.50 U5.56 U5.57 U5.58 U5.59 U5.60 U5.61 U5.62 U5.65 U5.66 U5.67 U5.68 U5.69 U5.70 U5.71 U5.78 U5.85 U5.87 U5.88 U5.89 U5.94 U5.96 U5.97 U5.98

## Polygon pours and split planes (outlines as drawn)
GND on GND1 "GND" (solid, pour order 0): 91.008,20.772 ccw(c94.508,20.772) 94.508,17.272 191.008,17.272 191.008,113.772 ccw(c187.508,113.772) 187.508,117.272 94.508,117.272 ccw(c94.508,113.772) 91.008,113.772
GND on GND2 "GND" (solid, pour order 3): 91.008,20.772 ccw(c94.508,20.772) 94.508,17.272 191.008,17.272 191.008,113.772 ccw(c187.508,113.772) 187.508,117.272 94.508,117.272 ccw(c94.508,113.772) 91.008,113.772
3V3 on Power1 "3V3" (solid, pour order 4): 91.008,20.772 ccw(c94.508,20.772) 94.508,17.272 191.008,17.272 191.008,113.772 ccw(c187.508,113.772) 187.508,117.272 94.508,117.272 ccw(c94.508,113.772) 91.008,113.772
5V on Power2 "5V" (solid, pour order 5): 91.008,20.772 ccw(c94.508,20.772) 94.508,17.272 191.008,17.272 191.008,113.772 ccw(c187.508,113.772) 187.508,117.272 94.508,117.272 ccw(c94.508,113.772) 91.008,113.772
GND on Bottom Layer "GND" (solid, pour order 1): 91.008,20.772 ccw(c94.508,20.772) 94.508,17.272 191.008,17.272 191.008,113.772 ccw(c187.508,113.772) 187.508,117.272 94.508,117.272 ccw(c94.508,113.772) 91.008,113.772
GND on Top Layer "GND" (solid, remove dead copper, pour order 2): 91.008,20.772 ccw(c94.508,20.772) 94.508,17.272 191.008,17.272 191.008,113.772 ccw(c187.508,113.772) 187.508,117.272 94.508,117.272 ccw(c94.508,113.772) 91.008,113.772

## Silkscreen, mask and mechanical layers (free items; w line width, h text height)
Top Overlay:
  drawing of 25 lines, arcs and shapes, not listed
  text "LE" at 149.479,104.902 h1.3
  text "A0" at 155.562,103.759 h1.3
  text "A1" at 155.575,102.521 h1.3
  text "A4'" at 139.082,101.668 h1.3
  text "A2" at 155.575,101.282 h1.3
  text "A3" at 155.575,100.044 h1.3
  text "A3'" at 179.324,99.441 h1.3
  text "A4" at 155.575,98.806 h1.3
  text "COLUMN TEST POINTS" at 122.943,89.468 h1 r270
  text "0" at 124.441,80.74 h0.8
  text "3" at 124.441,74.744 h0.8
  text "REF" at 103.886,68.961 h1.3
  text "7" at 124.441,66.744 h0.8
  text "11" at 124.441,58.744 h0.8
  text "github.com/SMotlaq" at 96.242,54.855 h1.2 r270
  text "15" at 124.441,50.744 h0.8
  text "19" at 124.441,42.74 h0.8
  text "REF" at 103.886,36.957 h1.3
  text "23" at 124.441,34.74 h0.8
  text "27" at 124.441,26.74 h0.8
  text "31" at 124.441,18.74 h0.8
  text "ROW / TEST POINTS" at 108.445,17.787 h1
  text "31" at 126.887,17.517 h0.8 r90
  text "27" at 134.887,17.517 h0.8 r90
  text "23" at 142.887,17.517 h0.8 r90
  text "19" at 150.887,17.517 h0.8 r90
  text "15" at 158.887,17.517 h0.8 r90
  text "11" at 166.887,17.517 h0.8 r90
  text "7" at 174.887,17.517 h0.8 r90
  text "3" at 182.887,17.517 h0.8 r90
  text "0" at 188.887,17.517 h0.8 r90
Board Layer Stack Bottom Overlay:
  text "POWER" at 188.239,102.484 h1.3 r90
Top Solder:
  drawing of 5 lines, arcs and shapes, not listed
Mechanical 1:
  the board outline again, w0.15

## Text inside footprints (layer, text, board x,y; h text height)
J1: Mechanical 13 "PCB EDGE" at 171.931,117.655 h0.8